# Altium PCB Thunderscope_Rev2.PCBDOC (part 4 of 6)
Units mm, origin at the board's own origin, x right, y up, seen from the top; angles counter-clockwise.
Board outline 119 x 104 mm, 6 copper layers (Top Layer, Int1 (GND), Int2 (Sign), Int3 (Sign), Int4 (GND), Bottom Layer), stack 1.49 mm thick; 547 components, 321 nets, 1905 pads, 1168 vias.
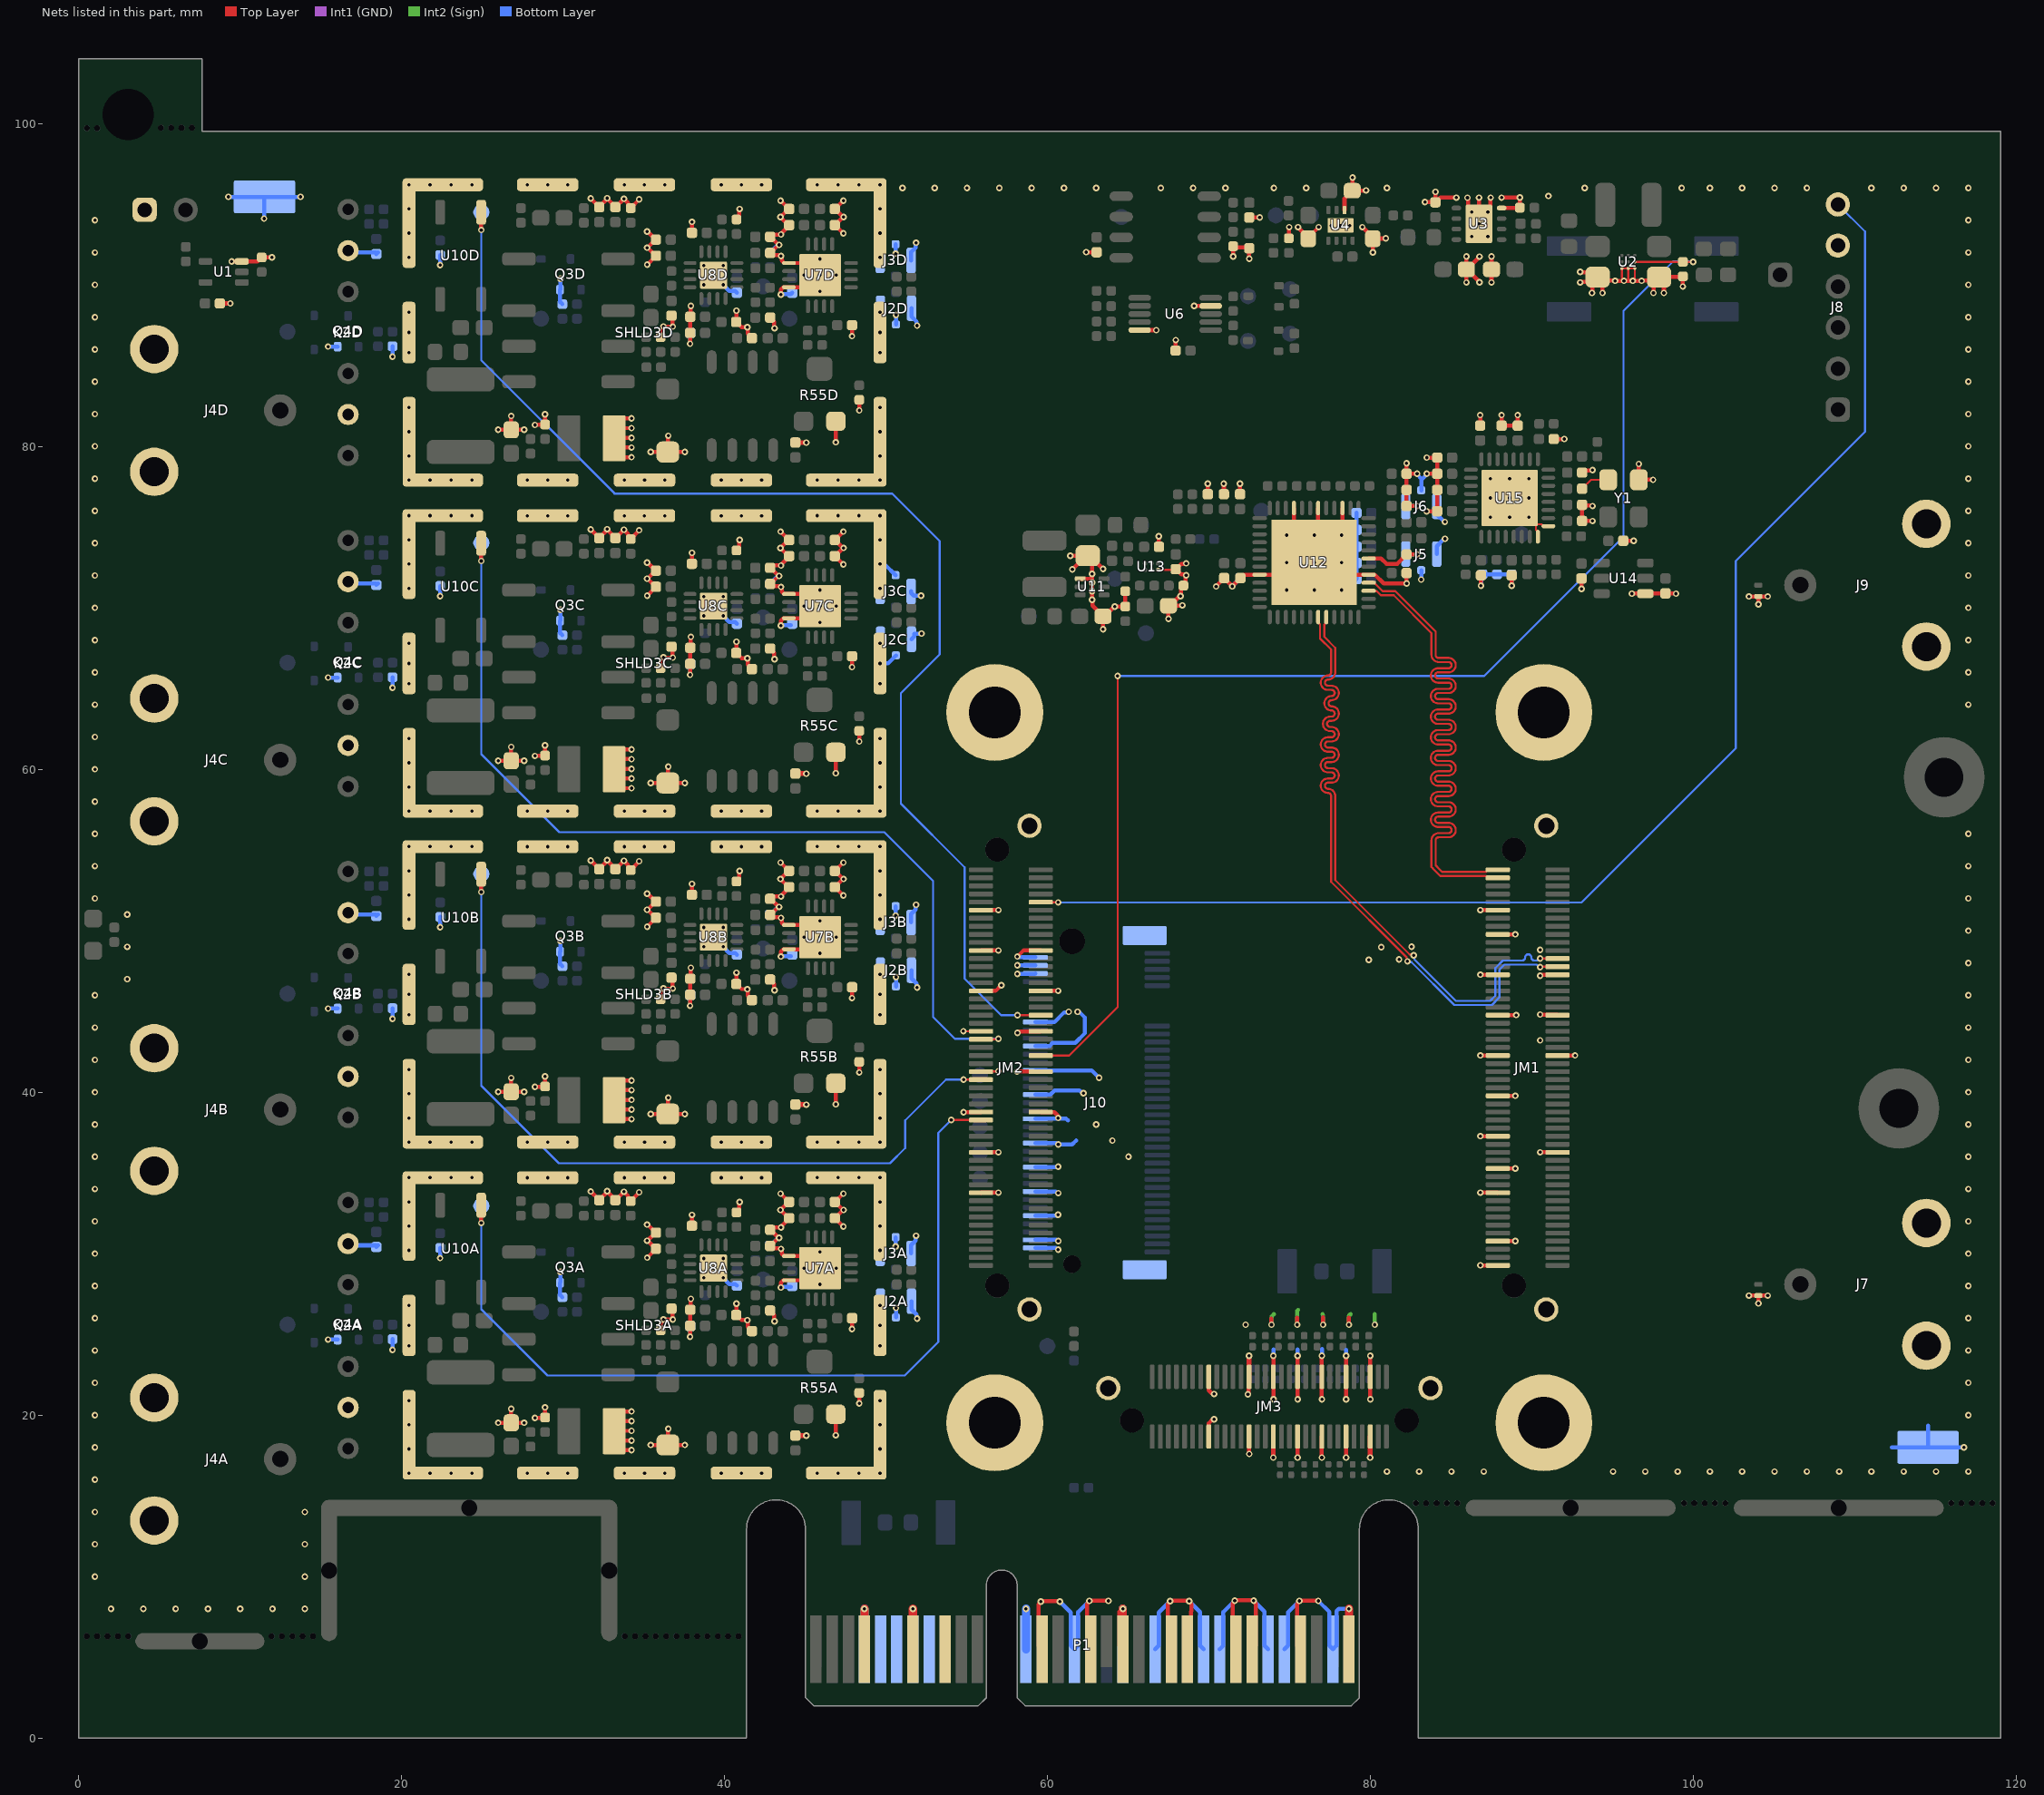
[diagram p8: the nets of this part, all layers, seen from the top]

## Via types
v1: diameter 0.406, hole 0.203, Top Layer to Bottom Layer, tented both sides, 1168 vias

## Nets (pads, with @x,y where several pads share a name; then routed paths per layer and width w, separated by ;. In a path a pad name is that pad's centre, name@x,y a point inside that pad or via, vN(x,y) a via of type N, cw(c..) or ccw(c..) an arc to the next point about the centre after c; other vN are vias at no path point) (continued)
D4B_N: JM1.99 U12.28 | length 42
  Top Layer w0.127: U12.28@79.868,71.55 80.208,71.55 80.731,71.027 81.523,71.027 84.018,68.532 84.018,67.276 84.018,67.084 ccw(c84.208,67.084) 84.208,66.893 84.815,66.893 cw(c84.815,66.445) 85.262,66.445 cw(c84.815,66.445) 84.815,65.998 84.169,65.998 ccw(c84.169,65.807) 83.979,65.807 ccw(c84.169,65.807) 84.169,65.617 84.815,65.617 cw(c84.815,65.169) 85.262,65.169 cw(c84.815,65.169) 84.815,64.721 84.169,64.721 ccw(c84.169,64.531) 83.979,64.531 ccw(c84.169,64.531) 84.169,64.34 84.815,64.34 cw(c84.815,63.892) 85.262,63.892 cw(c84.815,63.892) 84.815,63.445 84.169,63.445 ccw(c84.169,63.254) 83.979,63.254 ccw(c84.169,63.254) 84.169,63.064 84.815,63.064 cw(c84.815,62.616) 85.262,62.616 cw(c84.815,62.616) 84.815,62.168 84.169,62.168 ccw(c84.169,61.978) 83.979,61.978 ccw(c84.169,61.978) 84.169,61.787 84.815,61.787 cw(c84.815,61.34) 85.262,61.34 cw(c84.815,61.34) 84.815,60.892 84.169,60.892 ccw(c84.169,60.701) 83.979,60.701 ccw(c84.169,60.701) 84.169,60.511 84.815,60.511 cw(c84.815,60.063) 85.262,60.063 cw(c84.815,60.063) 84.815,59.615 84.169,59.615 ccw(c84.169,59.425) 83.979,59.425 ccw(c84.169,59.425) 84.169,59.234 84.815,59.234 cw(c84.815,58.787) 85.262,58.787 cw(c84.815,58.787) 84.815,58.339 84.169,58.339 ccw(c84.169,58.149) 83.979,58.149 ccw(c84.169,58.149) 84.169,57.958 84.815,57.958 cw(c84.815,57.51) 85.262,57.51 cw(c84.815,57.51) 84.815,57.063 84.169,57.063 ccw(c84.169,56.872) 83.979,56.872 ccw(c84.169,56.872) 84.169,56.682 84.815,56.682 cw(c84.815,56.234) 85.262,56.234 cw(c84.815,56.234) 84.815,55.786 84.208,55.786 ccw(c84.208,55.596) 84.018,55.596 84.018,54.046 84.264,53.8 84.415,53.649 87.139,53.649 87.261,53.771 JM1.99@87.867,53.771
D4B_P: JM1.97 U12.27 | length 41.9
  Top Layer w0.127: U12.27@79.868,71.05 79.889,71.029 80.365,71.029 80.624,70.77 81.417,70.77 83.761,68.426 83.761,67.276 83.761,67.084 ccw(c84.208,67.084) 84.208,66.636 84.815,66.636 cw(c84.815,66.445) 85.005,66.445 cw(c84.815,66.445) 84.815,66.255 84.169,66.255 ccw(c84.169,65.807) 83.722,65.807 ccw(c84.169,65.807) 84.169,65.359 84.815,65.359 cw(c84.815,65.169) 85.005,65.169 cw(c84.815,65.169) 84.815,64.978 84.169,64.978 ccw(c84.169,64.531) 83.722,64.531 ccw(c84.169,64.531) 84.169,64.083 84.815,64.083 cw(c84.815,63.892) 85.005,63.892 cw(c84.815,63.892) 84.815,63.702 84.169,63.702 ccw(c84.169,63.254) 83.722,63.254 ccw(c84.169,63.254) 84.169,62.807 84.815,62.807 cw(c84.815,62.616) 85.005,62.616 cw(c84.815,62.616) 84.815,62.426 84.169,62.426 ccw(c84.169,61.978) 83.722,61.978 ccw(c84.169,61.978) 84.169,61.53 84.815,61.53 cw(c84.815,61.34) 85.005,61.34 cw(c84.815,61.34) 84.815,61.149 84.169,61.149 ccw(c84.169,60.701) 83.722,60.701 ccw(c84.169,60.701) 84.169,60.254 84.815,60.254 cw(c84.815,60.063) 85.005,60.063 cw(c84.815,60.063) 84.815,59.873 84.169,59.873 ccw(c84.169,59.425) 83.722,59.425 ccw(c84.169,59.425) 84.169,58.977 84.815,58.977 cw(c84.815,58.787) 85.005,58.787 cw(c84.815,58.787) 84.815,58.596 84.169,58.596 ccw(c84.169,58.149) 83.722,58.149 ccw(c84.169,58.149) 84.169,57.701 84.815,57.701 cw(c84.815,57.51) 85.005,57.51 cw(c84.815,57.51) 84.815,57.32 84.169,57.32 ccw(c84.169,56.872) 83.722,56.872 ccw(c84.169,56.872) 84.169,56.424 84.815,56.424 cw(c84.815,56.234) 85.005,56.234 cw(c84.815,56.234) 84.815,56.043 84.208,56.043 ccw(c84.208,55.596) 83.761,55.596 83.761,53.939 83.836,53.863 83.9,53.8 84.308,53.392 87.139,53.392 87.261,53.271 JM1.97@87.867,53.271
DC_CPL_1: JM2.37 TP22A.1 U10A.1 | length 54.2
  Top Layer w0.127: v1(54.025,38.275) 54.027,38.273 JM2.37@55.865,38.273
  Top Layer w0.25: v1@24.923,31.897 U10A.1@24.923,32.993
  Bottom Layer w0.127: TP22A.1@24.925,32.85 v1(24.925,31.895) 24.925,26.55 29.025,22.45 51.15,22.45 53.225,24.525 53.225,37.475 v1(54.025,38.275)
DC_CPL_2: JM2.47 TP22B.1 U10B.1 | length 50.3
  Top Layer w0.127: v1@54.789,40.773 JM2.47@55.831,40.773
  Top Layer w0.25: v1@24.923,52.397 U10B.1@24.923,53.493
  Bottom Layer w0.127: TP22B.1@24.925,53.521 24.925,40.4 29.725,35.6 50.231,35.6 51.175,36.544 51.175,38.25 53.7,40.775 v1(54.787,40.775)
  other v1: 24.925,52.395
DC_CPL_3: JM2.57 TP22C.1 U10C.1 | length 59.5
  Top Layer w0.127: JM2.57@55.877,43.285 v1@56.933,43.285
  Top Layer w0.25: v1@24.923,72.897 U10C.1@24.923,73.993
  Bottom Layer w0.127: TP22C.1@24.925,74.021 v1(24.925,72.895) 24.925,60.925 29.75,56.1 49.875,56.1 52.9,53.075 52.9,44.65 54.25,43.3 v1(56.947,43.3)
DC_CPL_4: JM2.64 TP22D.1 U10D.1 | length 78.7
  Top Layer w0.127: v1(58.126,44.767) 58.128,44.769 59.561,44.769 JM2.64@59.565,44.773
  Top Layer w0.25: U10D.1@24.92,94.495 24.923,94.493 24.923,93.397 v1(24.925,93.395)
  Bottom Layer w0.127: TP22D.1@24.925,94.5 v1(24.925,93.395) 24.925,85.325 33.175,77.075 50.359,77.075 53.3,74.134 53.3,67.106 50.9,64.706 50.9,57.875 54.85,53.925 54.85,47.025 57.108,44.767 v1(58.126,44.767)
FCLK_N: JM1.78 U12.20 | length 42
  Top Layer w0.127: U12.20@77.243,69.425 77.243,69.085 77.122,68.964 77.122,68.203 77.8,67.525 77.8,66.745 77.8,66 cw(c77.352,66) 77.352,65.552 ccw(c77.352,65.362) 77.352,65.171 77.576,65.171 cw(c77.576,64.723) 77.576,64.276 ccw(c77.575,64.085) 77.575,63.895 cw(c77.576,63.447) 77.576,62.999 77.484,62.999 ccw(c77.484,62.809) 77.484,62.618 77.576,62.618 cw(c77.576,62.171) 77.576,61.723 77.35,61.723 ccw(c77.35,61.532) 77.35,61.342 77.576,61.342 cw(c77.576,60.894) 77.576,60.446 77.35,60.446 ccw(c77.35,60.256) 77.35,60.065 77.576,60.065 cw(c77.576,59.618) 77.576,59.17 77.35,59.17 ccw(c77.35,58.979) 77.35,58.789 77.352,58.789 cw(c77.352,58.341) 77.8,58.341 77.8,58.149 77.8,53.134 82.403,48.531 82.599,48.531 v1(82.652,48.477) ; v1(90.487,48.272) JM1.78@91.565,48.272
  Bottom Layer w0.127: v1(82.652,48.477) 82.706,48.424 82.706,48.228 85.277,45.657 87.393,45.657 87.717,45.98 87.717,47.692 88.175,48.15 89.306,48.15 89.318,48.15 89.369,48.15 ccw(c89.369,48.34) 89.56,48.34 89.56,48.349 cw(c89.75,48.349) 89.941,48.349 89.941,48.34 ccw(c90.131,48.34) 90.131,48.15 90.289,48.15 90.411,48.272 90.45,48.272 v1(90.487,48.272)
FCLK_P: JM1.76 U12.19 | length 42.1
  Top Layer w0.127: U12.19@76.743,69.425 76.743,69.085 76.864,68.964 76.864,68.097 77.543,67.418 77.543,66.745 77.543,66 cw(c77.352,66) 77.352,65.809 ccw(c77.352,65.362) 77.352,64.914 77.576,64.914 cw(c77.576,64.723) 77.576,64.533 ccw(c77.575,64.085) 77.575,63.637 cw(c77.576,63.447) 77.576,63.256 77.484,63.256 ccw(c77.484,62.809) 77.484,62.361 77.576,62.361 cw(c77.576,62.171) 77.576,61.98 77.35,61.98 ccw(c77.35,61.532) 77.35,61.085 77.576,61.085 cw(c77.576,60.894) 77.576,60.704 77.35,60.704 ccw(c77.35,60.256) 77.35,59.808 77.576,59.808 cw(c77.576,59.618) 77.576,59.427 77.35,59.427 ccw(c77.35,58.979) 77.35,58.532 77.352,58.532 cw(c77.352,58.341) 77.543,58.341 77.543,58.149 77.543,53.028 82.222,48.349 82.222,48.153 v1(82.275,48.1) ; v1(90.487,47.739) 90.513,47.765 90.938,47.765 90.952,47.779 90.992,47.739 JM1.76@91.567,47.739
  Bottom Layer w0.127: v1(82.275,48.1) 82.328,48.047 82.524,48.047 85.17,45.4 87.5,45.4 87.974,45.874 87.974,47.585 88.282,47.893 89.935,47.893 90.273,47.893 90.427,47.739 v1(90.487,47.739)
FE_EN: JM2.54 R6.1 U2.B3 | length 84.6
  Top Layer w0.127: JM2.54@59.567,42.271 61.321,42.271 64.325,45.275 v1(64.325,65.775) ; U2.B3@96.35,91.425 R6.1@99.325,91.425 v1(99.955,91.425)
  Bottom Layer w0.127: v1(64.325,65.775) 87.025,65.775 95.65,74.4 95.65,88.38 98.72,91.45 99.93,91.45 v1(99.955,91.425)
GND: C1.2 C2.1 C3.1 C5.1 C6.1 C7.1 C8.1 C10.1 C11.1 C12.2 C13.1 C14.1 C18A.2 C18B.2 C18C.2 C18D.2 C20A.1 C20B.1 C20C.1 C20D.1 C21A.1 C21B.1 C21C.1 C21D.1 C22A.1 C22B.1 C22C.1 C22D.1 C23A.1 C23B.1 C23C.1 C23D.1 C24A.1 C24B.1 C24C.1 C24D.1 C25A.1 C25B.1 C25C.1 C25D.1 C26A.1 C26B.1 C26C.1 C26D.1 C28A.2 C28B.2 C28C.2 C28D.2 C29A.1 C29B.1 C29C.1 C29D.1 C31A.1 C31B.1 C31C.1 C31D.1 C32A.2 C32B.2 C32C.2 C32D.2 C33A.2 C33B.2 C33C.2 C33D.2 C34A.2 C34B.2 C34C.2 C34D.2 C35A.1 C35B.1 C35C.1 C35D.1 C36A.1 C36B.1 C36C.1 C36D.1 C37A.1 C37B.1 C37C.1 C37D.1 C38A.1 C38B.1 C38C.1 C38D.1 C39A.2 C39B.2 C39C.2 C39D.2 C41.1 C42.1 C43.1 C44.1 C45.1 C46.1 C47.1 C48.1 C49.1 C50.1 C52.1 C53.1 C54.1 C55.1 C56.1 C57.1 C58.1 C59.1 C60.1 C61.1 C63A.2 C63B.2 C63C.2 C63D.2 C64A.2 C64B.2 C64C.2 C64D.2 C78A.1 C78B.1 C78C.1 C78D.1 C82.2 C83.2 C84.2 C85.2 C86.2 C87.2 C88.2 C89.2 C90.2 C91.1 C92.1 C93.2 C94.2 C95.2 C97.2 C99.2 C100.1 C101A.2 C101B.2 C101C.2 C101D.2 C102A.2 C102B.2 C102C.2 C102D.2 D4.2 D5.2 J1.1 J2A.2 J2B.2 J2C.2 J2D.2 J3A.2 J3B.2 J3C.2 J3D.2 J4A.2 J4B.2 J4C.2 J4D.2 J5.2 J6.2 J7.2 J8.5 J9.2 J10.2 J10.4 J10.10 J10.16 J10.22 J10.28 J10.34 J10.40 J10.46 J10.52 J10.58 J10.70 J10.72 J10.74 J10.76 J10.77 JM1.1 JM1.7 JM1.19 JM1.25 JM1.30 JM1.33 JM1.43 JM1.53 JM1.54 JM1.63 JM1.64 JM1.73 JM1.74 JM1.83 JM1.89 JM1.101 JM1.102 JM2.19 JM2.29 JM2.39 JM2.40 JM2.49 JM2.50 JM2.59 JM2.60 JM2.69 JM2.70 JM2.79 JM2.80 JM2.89 JM2.101 JM2.102 JM3.5 JM3.6 JM3.11 JM3.12 JM3.17 JM3.18 JM3.23 JM3.24 JM3.29 JM3.30 JM3.35 JM3.36 JM3.45 JM3.46 JM3.61 JM3.62 K2A.5 K2A.6 K2B.5 K2B.6 K2C.5 K2C.6 K2D.5 K2D.6 L3A.2 L3B.2 L3C.2 L3D.2 MH1.1 MH2.1 MH3.1 MH4.1 P1.A4 P1.A12 P1.A15 P1.A18 P1.A20 P1.A23 P1.A24 P1.A27 P1.A28 P1.A31 P1.B4 P1.B7 P1.B13 P1.B16 P1.B18 P1.B21 P1.B22 P1.B25 P1.B26 P1.B29 P1.B32 Q3A.3 Q3B.3 Q3C.3 Q3D.3 Q4A.3 Q4B.3 Q4C.3 Q4D.3 R2.1 R6.2 R12.1 R13.1 R14.2 R26A.1 R26B.1 R26C.1 R26D.1 R28A.1 R28B.1 R28C.1 R28D.1 R35A.1 R35B.1 R35C.1 R35D.1 R38.1 R39.1 R46.2 R49A.1 R49B.1 R49C.1 R49D.1 R50A.1 R50B.1 R50C.1 R50D.1 R53A.1 R53B.1 R53C.1 R53D.1 R54A.1 R54B.1 R54C.1 R54D.1 R55A.3 R55B.3 R55C.3 R55D.3 R61.1 R92.1 R93.1 R94.1 R98A.1 R98B.1 R98C.1 R98D.1 R100A.1 R100B.1 R100C.1 R100D.1 SHLD3A.1 SHLD3B.1 SHLD3C.1 SHLD3D.1 TP5.1 TP6.1 U1.3 U2.C1 U2.C2 U2.C3 U3.4 U3.9 U4.2 U4.9 U6.4 U6.10 U7A.5 U7A.8 U7A.17 U7B.5 U7B.8 U7B.17 U7C.5 U7C.8 U7C.17 U7D.5 U7D.8 U7D.17 U8A.17 U8B.17 U8C.17 U8D.17 U11.1 U12.8 U12.29 U12.31 U12.39 U12.42 U12.45 U12.49 U13.C1 U14.4 U15.1 U15.32 U15.33 VAR1A.1 VAR1B.1 VAR1C.1 VAR1D.1 Y1.2 | length 556
  Top Layer w0.127: v1(54.775,43.774) 54.777,43.772 JM2.59@55.831,43.772 ; JM2.49@55.877,41.285 v1@56.933,41.285 ; U13.C1@66.825,72.35 C61.1@67.925,72.35 ; v1(88.6,76.8) U15.33@90.225,75.175 ; U15.32@90.35,74.4 90.35,74.711 90.225,74.836 U15.33@90.225,75.175 ; U15.1@91,75.05 90.689,75.05 90.564,75.175 U15.33@90.225,75.175 ; v1(95.675,90.25) 95.675,90.326 95.55,90.451 U2.C1@95.55,91.025 U2.C2@95.95,91.025 ; 95.95,90.25 U2.C2@95.95,91.025 ; v1(96.225,90.25) 96.225,90.326 96.35,90.451 U2.C3@96.35,91.025 U2.C2@95.95,91.025
  Top Layer w0.25: v1(31.7,33.85) 31.7,33.842 C20A.1@32.225,33.317 ; v1(31.7,54.35) 31.7,54.342 C20B.1@32.225,53.817 ; v1(31.7,74.85) 31.7,74.842 C20C.1@32.225,74.317 ; v1(31.7,95.35) 31.7,95.342 C20D.1@32.225,94.817 ; C20A.1@32.225,33.31 C20A.1@32.225,33.317 ; C20B.1@32.225,53.81 C20B.1@32.225,53.817 ; C20C.1@32.225,74.31 C20C.1@32.225,74.317 ; C20D.1@32.225,94.81 C20D.1@32.225,94.817 ; v1(32.714,33.867) v1@32.714,33.839 ; v1(32.714,54.367) v1@32.714,54.339 ; v1(32.714,74.867) v1@32.714,74.839 ; v1(32.714,95.367) v1@32.714,95.339 ; VAR1A.1@33.15,19 33.15,19.652 33.723,20.225 v1(34.225,20.225) ; VAR1B.1@33.15,39.5 33.15,40.152 33.723,40.725 v1(34.225,40.725) ; VAR1C.1@33.15,60 33.15,60.652 33.723,61.225 v1(34.225,61.225) ; VAR1D.1@33.15,80.5 33.15,81.152 33.723,81.725 v1(34.225,81.725) ; C21A.1@33.255,33.28 C21A.1@33.225,33.31 ; C21B.1@33.255,53.78 C21B.1@33.225,53.81 ; C21C.1@33.255,74.28 C21C.1@33.225,74.31 ; C21D.1@33.255,94.78 C21D.1@33.225,94.81 ; VAR1A.1@33.723,17.825 v1(34.225,17.825) ; VAR1A.1@33.723,18.425 v1(34.225,18.425) ; VAR1A.1@33.723,19.025 v1(34.225,19.025) ; VAR1A.1@33.723,19.6 33.723,19.625 v1(34.225,19.625) ; VAR1B.1@33.723,38.325 v1(34.225,38.325) ; VAR1B.1@33.723,38.925 v1(34.225,38.925) ; VAR1B.1@33.723,39.525 v1(34.225,39.525) ; VAR1B.1@33.723,40.1 33.723,40.125 v1(34.225,40.125) ; VAR1C.1@33.723,58.825 v1(34.225,58.825) ; VAR1C.1@33.723,59.425 v1(34.225,59.425) ; VAR1C.1@33.723,60.025 v1(34.225,60.025) ; VAR1C.1@33.723,60.6 33.723,60.625 v1(34.225,60.625) ; VAR1D.1@33.723,79.325 v1(34.225,79.325) ; VAR1D.1@33.723,79.925 v1(34.225,79.925) ; VAR1D.1@33.723,80.525 v1(34.225,80.525) ; VAR1D.1@33.723,81.1 33.723,81.125 v1(34.225,81.125) ; v1(34.7,33.8) 34.7,33.787 34.175,33.262 R26A.1@34.175,33.25 34.016,33.409 34.016,33.57 v1(33.755,33.832) 33.233,33.31 C21A.1@33.225,33.31 ; v1(34.7,54.3) 34.7,54.287 34.175,53.762 R26B.1@34.175,53.75 34.016,53.909 34.016,54.07 v1(33.755,54.332) 33.233,53.81 C21B.1@33.225,53.81 ; v1(34.7,74.8) 34.7,74.787 34.175,74.262 R26C.1@34.175,74.25 34.016,74.409 34.016,74.57 v1(33.755,74.832) 33.233,74.31 C21C.1@33.225,74.31 ; v1(34.7,95.3) 34.7,95.287 34.175,94.762 R26D.1@34.175,94.75 34.016,94.909 34.016,95.07 v1(33.755,95.332) 33.233,94.81 C21D.1@33.225,94.81 ; v1(35.192,30.8) 35.222,30.8 35.727,30.295 35.74,30.295 35.2,29.755 v1(35.2,29.75) ; v1(35.192,51.3) 35.222,51.3 35.727,50.795 35.74,50.795 35.2,50.255 v1(35.2,50.25) ; v1(35.192,71.8) 35.222,71.8 35.727,71.295 35.74,71.295 35.2,70.755 v1(35.2,70.75) ; v1(35.192,92.3) 35.222,92.3 35.727,91.795 35.74,91.795 35.2,91.255 v1(35.2,91.25) ; v1@35.223,30.8 C32A.2@35.722,31.3 ; v1@35.223,31.8 C32A.2@35.722,31.3 ; v1@35.223,51.3 C32B.2@35.722,51.8 ; v1@35.223,52.3 C32B.2@35.722,51.8 ; v1@35.223,71.8 C32C.2@35.722,72.3 ; v1@35.223,72.8 C32C.2@35.722,72.3 ; v1@35.223,92.3 C32D.2@35.722,92.8 ; v1@35.223,93.3 C32D.2@35.722,92.8 ; C32A.2@35.74,31.3 C32A.2@35.722,31.3 ; C32B.2@35.74,51.8 C32B.2@35.722,51.8 ; C32C.2@35.74,72.3 C32C.2@35.722,72.3 ; C32D.2@35.74,92.8 C32D.2@35.722,92.8 ; R49A.1@36.025,25.25 36.025,25.7 36.225,25.9 36.227,25.9 36.23,25.897 36.23,25.9 36.239,25.908 36.758,25.908 v1@36.764,25.914 ; R49B.1@36.025,45.75 36.025,46.2 36.225,46.4 36.227,46.4 36.23,46.397 36.23,46.4 36.239,46.408 36.758,46.408 v1@36.764,46.414 ; R49C.1@36.025,66.25 36.025,66.7 36.225,66.9 36.227,66.9 36.23,66.897 36.23,66.9 36.239,66.908 36.758,66.908 v1@36.764,66.914 ; R49D.1@36.025,86.75 36.025,87.2 36.225,87.4 36.227,87.4 36.23,87.397 36.23,87.4 36.239,87.408 36.758,87.408 v1@36.764,87.414 ; C29A.1@36.7,26.59 36.764,26.526 v1@36.764,25.914 ; C29B.1@36.7,47.09 36.764,47.026 v1@36.764,46.414 ; C29C.1@36.7,67.59 36.764,67.526 v1@36.764,66.914 ; C29D.1@36.7,88.09 36.764,88.026 v1@36.764,87.414 ; v1(36.784,25.914) v1@36.764,25.914 ; v1(36.784,46.414) v1@36.764,46.414 ; v1(36.784,66.914) v1@36.764,66.914 ; v1(36.784,87.414) v1@36.764,87.414 ; v1(37.85,24.849) 37.857,24.857 37.857,25.518 C39A.2@37.865,25.525 C38A.1@37.865,26.525 37.883,26.542 37.883,27.183 v1(37.9,27.201) ; v1(37.85,45.349) 37.857,45.357 37.857,46.018 C39B.2@37.865,46.025 C38B.1@37.865,47.025 37.883,47.042 37.883,47.683 v1(37.9,47.701) ; v1(37.85,65.849) 37.857,65.857 37.857,66.518 C39C.2@37.865,66.525 C38C.1@37.865,67.525 37.883,67.543 37.883,68.183 v1(37.9,68.201) ; v1(37.85,86.349) 37.857,86.357 37.857,87.018 C39D.2@37.865,87.025 C38D.1@37.865,88.025 37.883,88.043 37.883,88.683 v1(37.9,88.701) ; C35A.1@37.965,31.725 37.97,31.73 37.97,32.396 v1(37.975,32.401) ; C35B.1@37.965,52.225 37.97,52.23 37.97,52.896 v1(37.975,52.901) ; C35C.1@37.965,72.725 37.97,72.73 37.97,73.396 v1(37.975,73.401) ; C35D.1@37.965,93.225 37.97,93.23 37.97,93.896 v1(37.975,93.901) ; v1(40.725,26.9) 40.718,26.892 40.718,26.208 C37A.1@40.71,26.2 40.728,26.2 41.047,25.881 41.394,25.881 v1(41.4,25.875) 41.421,25.854 41.421,25.482 41.685,25.218 C31A.1@41.685,25.2 ; v1(40.725,47.4) 40.718,47.392 40.718,46.708 C37B.1@40.71,46.7 40.728,46.7 41.047,46.381 41.394,46.381 v1(41.4,46.375) 41.421,46.354 41.421,45.982 41.685,45.718 C31B.1@41.685,45.7 ; v1(40.725,67.9) 40.718,67.893 40.718,67.208 C37C.1@40.71,67.2 40.728,67.2 41.047,66.881 41.394,66.881 v1(41.4,66.875) 41.421,66.854 41.421,66.482 41.685,66.218 C31C.1@41.685,66.2 ; v1(40.725,88.4) 40.718,88.393 40.718,87.708 C37D.1@40.71,87.7 40.728,87.7 41.047,87.381 41.394,87.381 v1(41.4,87.375) 41.421,87.354 41.421,86.982 41.685,86.718 C31D.1@41.685,86.7 ; C28A.2@42.81,26.475 42.81,26.457 43.057,26.21 43.057,25.84 v1(43.087,25.809) ; C28B.2@42.81,46.975 42.81,46.957 43.057,46.71 43.057,46.34 v1(43.087,46.309) ; C28C.2@42.81,67.475 42.81,67.457 43.057,67.21 43.057,66.84 v1(43.087,66.809) ; C28D.2@42.81,87.975 42.81,87.957 43.057,87.71 43.057,87.34 v1(43.087,87.309) ; v1(43.485,30.291) 43.525,30.252 43.525,30 43.675,29.85 45.15,29.85 v1(45.9,29.1) ; v1(43.485,50.791) 43.525,50.752 43.525,50.5 43.675,50.35 45.15,50.35 v1(45.9,49.6) ; v1(43.485,71.291) 43.525,71.252 43.525,71 43.675,70.85 45.15,70.85 v1(45.9,70.1) ; v1(43.485,91.791) 43.525,91.752 43.525,91.5 43.675,91.35 U7D.5@43.975,91.35 45.15,91.35 v1(45.9,90.6) ; v1@43.515,27.94 v1(43.475,27.9) 43.475,28.2 43.625,28.35 U7A.17@45.15,28.35 ; v1@43.515,48.44 v1(43.475,48.4) 43.475,48.7 43.625,48.85 U7B.17@45.15,48.85 ; v1@43.515,68.94 v1(43.475,68.9) 43.475,69.2 43.625,69.35 U7C.17@45.15,69.35 ; v1@43.515,89.44 v1(43.475,89.4) 43.475,89.7 43.625,89.85 U7D.8@43.975,89.85 U7D.17@45.15,89.85 ; C64A.2@44.375,18.735 C64A.2@44.38,18.73 ; C64B.2@44.375,39.235 C64B.2@44.38,39.23 ; C64C.2@44.375,59.735 C64C.2@44.38,59.73 ; C64D.2@44.375,80.235 C64D.2@44.38,80.23 ; v1@45.046,18.73 v1(45.051,18.725) ; v1@45.046,39.23 v1(45.051,39.225) ; v1@45.046,59.73 v1(45.051,59.725) ; v1@45.046,80.23 v1(45.051,80.225) ; C20A.1@32.225,33.317 32.225,33.328 32.714,33.817 v1@32.714,33.839 ; C20B.1@32.225,53.817 32.225,53.828 32.714,54.317 v1@32.714,54.339 ; C20C.1@32.225,74.317 32.225,74.328 32.714,74.817 v1@32.714,74.839 ; C20D.1@32.225,94.817 32.225,94.828 32.714,95.317 v1@32.714,95.339 ; v1@32.714,33.839 33.225,33.328 C21A.1@33.225,33.31 ; v1@32.714,54.339 33.225,53.828 C21B.1@33.225,53.81 ; v1@32.714,74.839 33.225,74.328 C21C.1@33.225,74.31 ; v1@32.714,95.339 33.225,94.828 C21D.1@33.225,94.81